# Altium PCB 0020-03_FFT2G.PcbDoc (part 11 of 16) (continued)
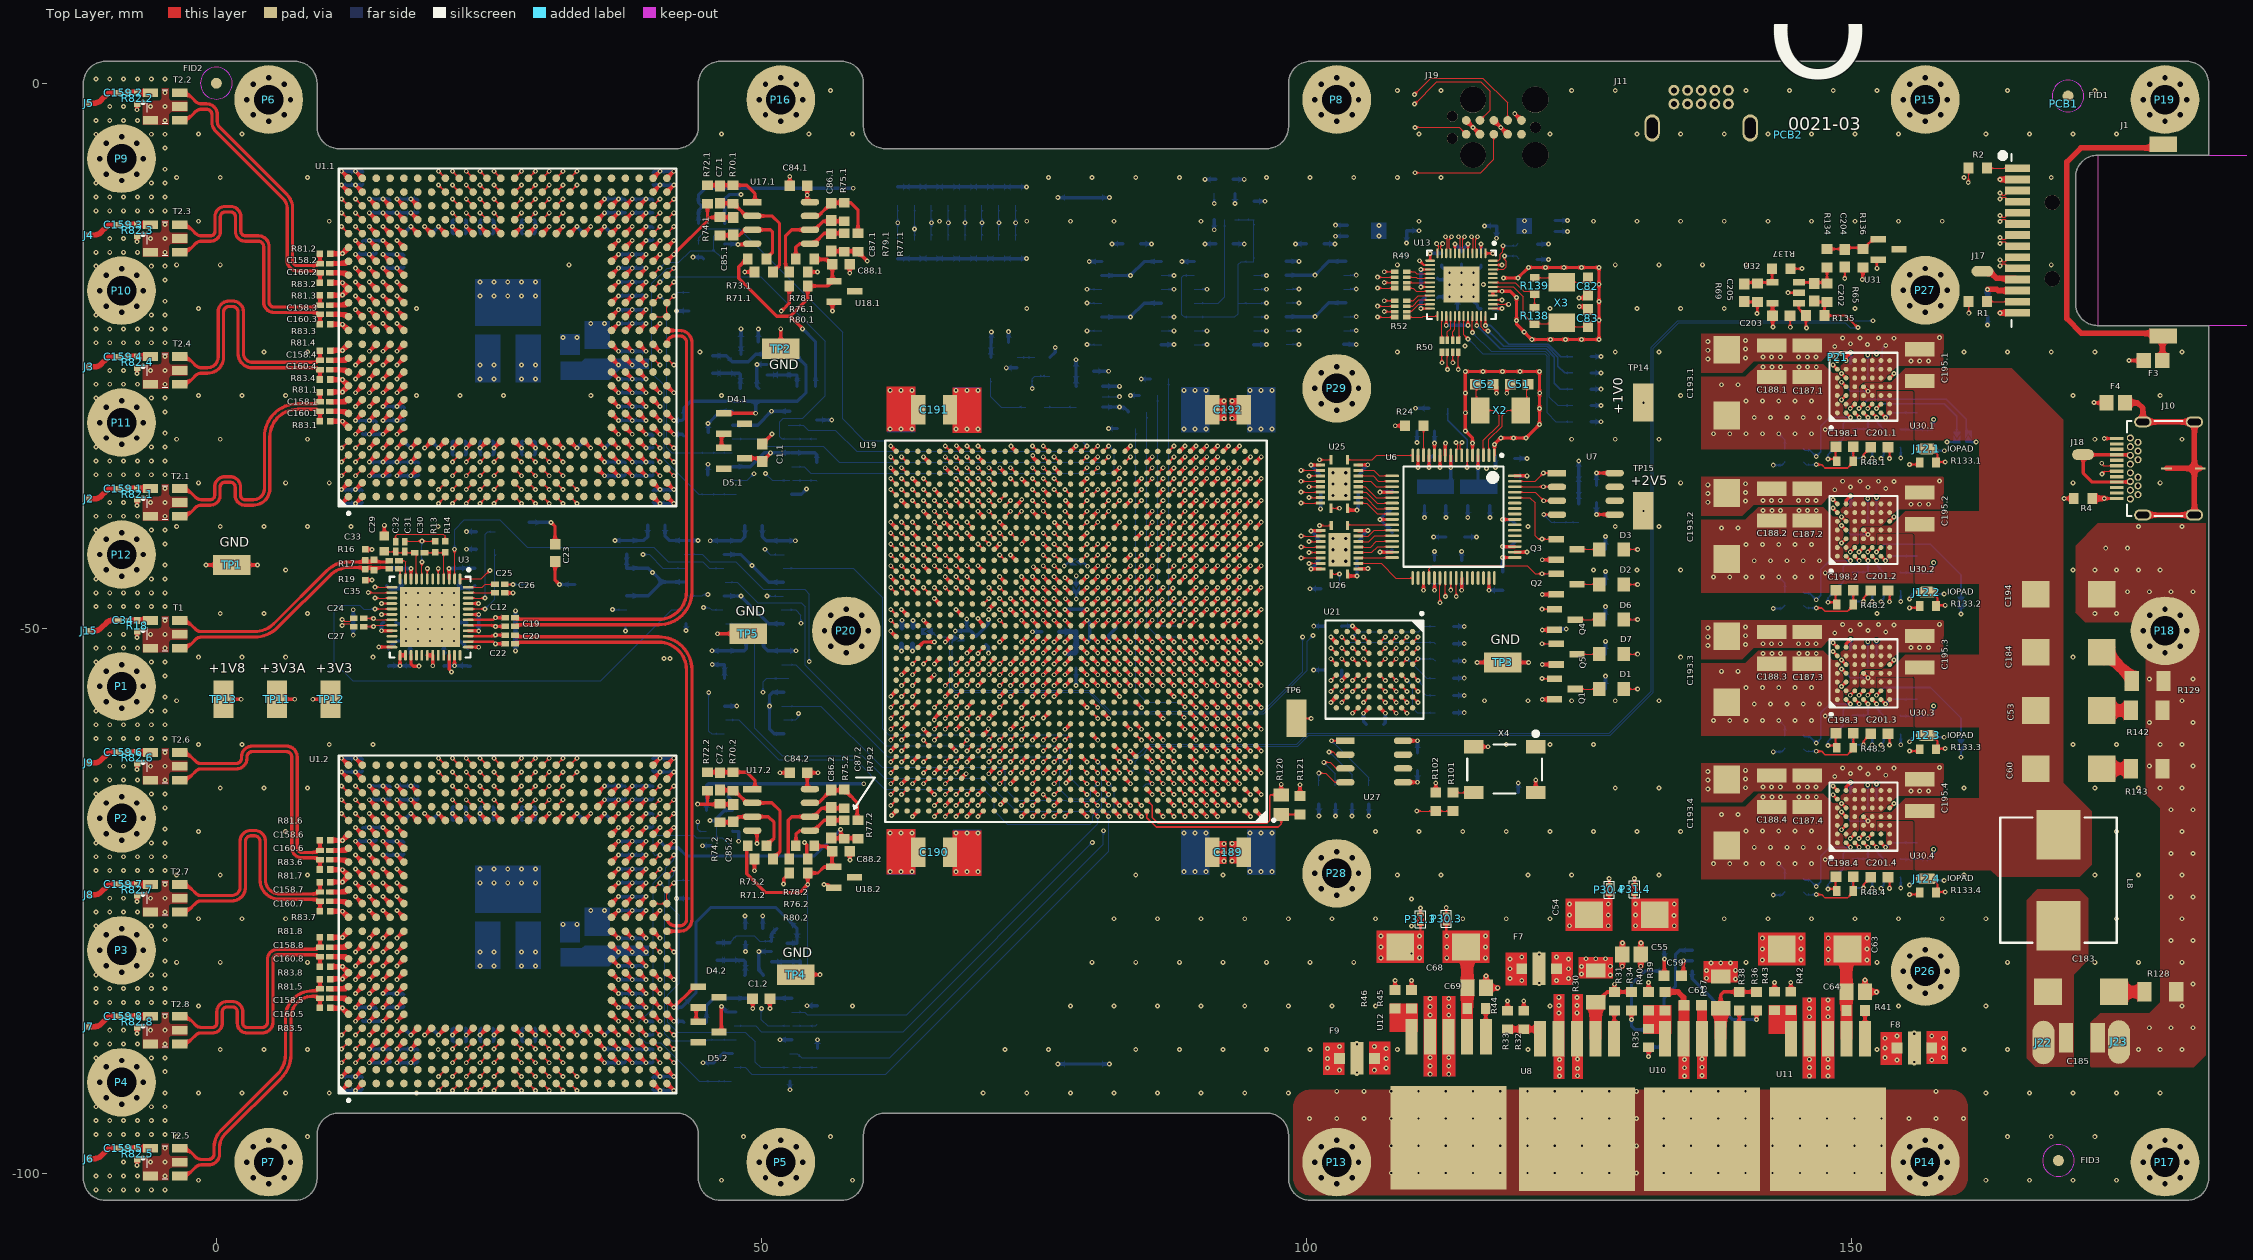
[diagram p0: Top Layer view]
## Nets (pads, with @x,y where several pads share a name; then routed paths per layer and width w, separated by ;. In a path a pad name is that pad's centre, name@x,y a point inside that pad or via, vN(x,y) a via of type N, cw(c..) or ccw(c..) an arc to the next point about the centre after c; other vN are vias at no path point) (continued)
NB.DR_P: U1.1.N1 U19.AE33 | length 75.7
  Top Layer w0.1: U1.1.N1@27.368,-37.927 v1(28.003,-38.562) ; v1(62.875,-42.28) U19.AE33@63.375,-42.78
  LVDS2 w0.1: v1(28.003,-38.562) 28.003,-38.133 28.11,-38.027 28.431,-38.027 28.716,-37.742 28.716,-36.928 28.941,-36.703 33.221,-36.703 34.504,-37.986 34.504,-40.486 34.922,-40.905 35.263,-40.905 cw(c35.263,-41.155) 35.513,-41.155 35.513,-41.186 ccw(c35.963,-41.186) 35.963,-41.636 36.263,-41.636 ccw(c36.263,-41.186) 36.713,-41.186 36.713,-40.255 cw(c36.963,-40.255) 36.963,-40.005 37.263,-40.005 cw(c37.263,-40.255) 37.513,-40.255 37.513,-41.354 ccw(c37.963,-41.354) 37.963,-41.804 38.263,-41.804 ccw(c38.263,-41.354) 38.713,-41.354 38.713,-40.255 cw(c38.963,-40.255) 38.963,-40.005 39.263,-40.005 cw(c39.263,-40.255) 39.513,-40.255 39.513,-41.354 ccw(c39.963,-41.354) 39.963,-41.804 40.263,-41.804 ccw(c40.263,-41.354) 40.713,-41.354 40.713,-40.255 cw(c40.963,-40.255) 40.963,-40.005 41.263,-40.005 cw(c41.263,-40.255) 41.513,-40.255 41.513,-41.354 ccw(c41.963,-41.354) 41.963,-41.804 42.263,-41.804 ccw(c42.263,-41.354) 42.713,-41.354 42.713,-40.255 cw(c42.963,-40.255) 42.963,-40.005 43.263,-40.005 cw(c43.263,-40.255) 43.513,-40.255 43.513,-41.128 ccw(c43.963,-41.128) 43.963,-41.578 44.263,-41.578 ccw(c44.263,-41.128) 44.713,-41.128 44.713,-40.255 cw(c44.963,-40.255) 44.963,-40.005 45.263,-40.005 cw(c45.263,-40.255) 45.513,-40.255 45.513,-41.354 ccw(c45.963,-41.354) 45.963,-41.804 46.263,-41.804 ccw(c46.263,-41.354) 46.713,-41.354 46.713,-40.255 cw(c46.963,-40.255) 46.963,-40.005 47.263,-40.005 cw(c47.263,-40.255) 47.513,-40.255 47.513,-41.354 ccw(c47.963,-41.354) 47.963,-41.804 48.263,-41.804 ccw(c48.263,-41.354) 48.713,-41.354 48.713,-40.255 cw(c48.963,-40.255) 48.963,-40.005 49.263,-40.005 cw(c49.263,-40.255) 49.513,-40.255 49.513,-41.354 ccw(c49.963,-41.354) 49.963,-41.804 50.263,-41.804 ccw(c50.263,-41.354) 50.713,-41.354 50.713,-40.255 cw(c50.963,-40.255) 50.963,-40.005 51.263,-40.005 cw(c51.263,-40.255) 51.513,-40.255 51.513,-41.354 ccw(c51.963,-41.354) 51.963,-41.804 52.263,-41.804 ccw(c52.263,-41.354) 52.713,-41.354 52.713,-40.255 cw(c52.963,-40.255) 52.963,-40.005 53.263,-40.005 cw(c53.263,-40.255) 53.513,-40.255 53.513,-41.354 ccw(c53.963,-41.354) 53.963,-41.804 54.263,-41.804 ccw(c54.263,-41.354) 54.713,-41.354 54.713,-40.255 cw(c54.963,-40.255) 54.963,-40.005 55.263,-40.005 cw(c55.263,-40.255) 55.513,-40.255 55.513,-41.354 ccw(c55.963,-41.354) 55.963,-41.804 56.263,-41.804 ccw(c56.263,-41.354) 56.713,-41.354 56.713,-40.255 cw(c56.963,-40.255) 56.963,-40.005 57.263,-40.005 cw(c57.263,-40.255) 57.513,-40.255 57.513,-41.354 ccw(c57.963,-41.354) 57.963,-41.804 58.263,-41.804 ccw(c58.263,-41.354) 58.713,-41.354 58.713,-41.155 cw(c58.963,-41.155) 58.963,-40.905 62.164,-40.905 62.273,-41.014 62.273,-41.671 62.49,-41.889 62.748,-41.889 62.875,-42.016 v1(62.875,-42.28)
NB.OR_N: U1.1.AC5 U19.AC29 | length 75.5
  Top Layer w0.1: U1.1.AC5@40.068,-32.847 v1(40.703,-33.482) ; v1(66.875,-44.28) U19.AC29@67.375,-44.78
  LVDS2 w0.1: v1(40.703,-33.482) 41.156,-33.482 41.238,-33.564 41.238,-33.985 41.448,-34.195 43.641,-34.195 44.076,-33.76 44.076,-32.922 43.83,-32.675 32.428,-32.675 32.174,-32.421 32.174,-31.989 32.529,-31.634 43.894,-31.634 45.771,-33.51 51.145,-33.51 ccw(c51.145,-33.06) 51.595,-33.06 51.595,-32.7 cw(c51.845,-32.7) 51.845,-32.45 52.145,-32.45 cw(c52.145,-32.7) 52.395,-32.7 52.395,-34.12 ccw(c52.845,-34.12) 52.845,-34.57 53.145,-34.57 ccw(c53.145,-34.12) 53.595,-34.12 53.595,-32.7 cw(c53.845,-32.7) 53.845,-32.45 54.145,-32.45 cw(c54.145,-32.7) 54.395,-32.7 54.395,-34.12 ccw(c54.845,-34.12) 54.845,-34.57 55.145,-34.57 ccw(c55.145,-34.12) 55.595,-34.12 55.595,-32.7 cw(c55.845,-32.7) 55.845,-32.45 56.145,-32.45 cw(c56.145,-32.7) 56.395,-32.7 56.395,-34.12 ccw(c56.845,-34.12) 56.845,-34.57 57.145,-34.57 ccw(c57.145,-34.12) 57.595,-34.12 57.595,-32.7 cw(c57.845,-32.7) 57.845,-32.45 58.145,-32.45 cw(c58.145,-32.7) 58.395,-32.7 58.395,-33.06 ccw(c58.845,-33.06) 58.845,-33.51 59.985,-33.51 60.539,-34.064 60.539,-36.837 62.606,-38.905 65.031,-38.905 65.3,-39.174 65.3,-40.518 65.659,-40.877 66.006,-40.877 66.3,-41.171 66.3,-43.705 v1(66.875,-44.28)
NB.OR_P: U1.1.AD5 U19.AD29 | length 75.5
  Top Layer w0.1: U1.1.AD5@41.338,-32.847 v1(41.973,-33.482) ; v1(66.875,-43.28) U19.AD29@67.375,-43.78
  LVDS2 w0.1: v1(41.973,-33.482) 41.521,-33.482 41.438,-33.564 41.438,-33.902 41.531,-33.995 43.558,-33.995 43.876,-33.677 43.876,-33.004 43.747,-32.875 32.345,-32.875 31.974,-32.504 31.974,-31.907 32.446,-31.434 43.977,-31.434 45.854,-33.31 51.145,-33.31 ccw(c51.145,-33.06) 51.395,-33.06 51.395,-32.7 cw(c51.845,-32.7) 51.845,-32.25 52.145,-32.25 cw(c52.145,-32.7) 52.595,-32.7 52.595,-34.12 ccw(c52.845,-34.12) 52.845,-34.37 53.145,-34.37 ccw(c53.145,-34.12) 53.395,-34.12 53.395,-32.7 cw(c53.845,-32.7) 53.845,-32.25 54.145,-32.25 cw(c54.145,-32.7) 54.595,-32.7 54.595,-34.12 ccw(c54.845,-34.12) 54.845,-34.37 55.145,-34.37 ccw(c55.145,-34.12) 55.395,-34.12 55.395,-32.7 cw(c55.845,-32.7) 55.845,-32.25 56.145,-32.25 cw(c56.145,-32.7) 56.595,-32.7 56.595,-34.12 ccw(c56.845,-34.12) 56.845,-34.37 57.145,-34.37 ccw(c57.145,-34.12) 57.395,-34.12 57.395,-32.7 cw(c57.845,-32.7) 57.845,-32.25 58.145,-32.25 cw(c58.145,-32.7) 58.595,-32.7 58.595,-33.06 ccw(c58.845,-33.06) 58.845,-33.31 60.068,-33.31 60.739,-33.981 60.739,-36.754 62.689,-38.705 65.113,-38.705 65.5,-39.091 65.5,-40.435 65.72,-40.655 66.067,-40.655 66.5,-41.088 66.5,-43.622 66.654,-43.775 66.768,-43.775 66.875,-43.668 v1(66.875,-43.28)
NC.0_N: U1.1.N21 U19.AD20 | length 75.4
  Top Layer w0.1: U1.1.N21@27.368,-12.527 v1(28.003,-11.892) ; v1(75.875,-43.28) U19.AD20@76.375,-43.78
  LVDS2 w0.1: v1(28.003,-11.892) 28.003,-11.36 27.91,-11.266 27.649,-11.266 27.398,-11.517 27.398,-23.709 28.817,-25.127 42.306,-25.127 ccw(c42.306,-24.877) 42.556,-24.877 cw(c43.006,-24.877) 43.006,-24.427 43.306,-24.427 cw(c43.306,-24.877) 43.756,-24.877 ccw(c44.006,-24.877) 44.006,-25.127 58.204,-25.127 65.946,-32.869 65.946,-34.17 65.946,-35.881 67.72,-37.655 68.063,-37.655 68.5,-38.091 68.5,-38.435 70.029,-39.964 70.45,-39.964 71.45,-40.964 71.45,-41.385 71.752,-41.687 72.498,-41.687 74.491,-43.68 75.558,-43.68 75.704,-43.826 75.817,-43.826 75.875,-43.767 v1(75.875,-43.28)
NC.0_P: U1.1.N22 U19.AC20 | length 75.5
  Top Layer w0.1: U1.1.N22@27.368,-11.257 v1(28.003,-10.622) ; v1(75.875,-44.28) U19.AC20@76.375,-44.78
  LVDS2 w0.1: v1(28.003,-10.622) 28.003,-10.95 27.887,-11.066 27.566,-11.066 27.198,-11.434 27.198,-23.792 28.734,-25.327 42.306,-25.327 ccw(c42.306,-24.877) 42.756,-24.877 cw(c43.006,-24.877) 43.006,-24.627 43.306,-24.627 cw(c43.306,-24.877) 43.556,-24.877 ccw(c44.006,-24.877) 44.006,-25.327 58.121,-25.327 65.746,-32.952 65.746,-34.087 65.746,-35.963 67.637,-37.855 67.981,-37.855 68.3,-38.174 68.3,-38.518 69.946,-40.164 70.367,-40.164 71.25,-41.047 71.25,-41.468 71.669,-41.887 72.415,-41.887 74.408,-43.88 75.475,-43.88 v1(75.875,-44.28)
NC.1_N: U1.1.P23 U19.AN20 | length 74.7
  Top Layer w0.1: U1.1.P23@28.638,-9.987 v1(29.273,-9.352) ; v1(75.875,-34.28) U19.AN20@76.375,-34.78
  LVDS2 w0.1: v1(29.273,-9.352) 29.273,-8.898 29.354,-8.817 29.63,-8.817 29.986,-8.461 29.986,-6.894 30.319,-6.561 68.864,-6.561 76.273,-13.97 76.273,-34.221 76.215,-34.28 v1(75.875,-34.28)
NC.1_P: U1.1.P24 U19.AN19 | length 74.8
  Top Layer w0.1: U1.1.P24@28.638,-8.717 v1(29.273,-8.082) ; v1(76.875,-34.28) U19.AN19@77.375,-34.78
  LVDS2 w0.1: v1(29.273,-8.082) 29.273,-8.536 29.354,-8.617 29.547,-8.617 29.786,-8.378 29.786,-6.811 30.236,-6.361 68.947,-6.361 76.473,-13.887 76.473,-33.878 v1(76.875,-34.28)
NC.2_N: U1.1.P21 U19.AD19 | length 75.4
  Top Layer w0.1: U1.1.P21@28.638,-12.527 v1(29.273,-11.892) ; v1(76.875,-43.28) U19.AD19@77.375,-43.78
  LVDS2 w0.1: v1(29.273,-11.892) 29.273,-11.36 29.18,-11.266 28.919,-11.266 28.694,-11.492 28.694,-22.414 30.014,-23.733 60.297,-23.733 67.454,-30.89 67.454,-36.491 67.652,-36.689 69.097,-36.689 69.45,-37.041 69.45,-37.385 69.72,-37.655 70.063,-37.655 70.45,-38.041 70.45,-38.385 70.72,-38.655 71.063,-38.655 71.45,-39.041 71.45,-39.385 71.77,-39.705 72.189,-39.705 75.173,-42.689 76.243,-42.689 76.461,-42.907 76.461,-43.527 76.672,-43.738 76.774,-43.738 76.875,-43.636 v1(76.875,-43.28)
NC.2_P: U1.1.P22 U19.AC19 | length 75.5
  Top Layer w0.1: U1.1.P22@28.638,-11.257 v1(29.273,-10.622) ; v1(76.875,-44.28) U19.AC19@77.375,-44.78
  LVDS2 w0.1: v1(29.273,-10.622) 28.494,-11.401 28.494,-22.496 29.931,-23.933 60.215,-23.933 67.254,-30.973 67.254,-36.574 67.569,-36.889 69.015,-36.889 69.25,-37.124 69.25,-37.468 69.687,-37.905 70.031,-37.905 70.25,-38.124 70.25,-38.468 70.687,-38.905 71.031,-38.905 71.25,-39.124 71.25,-39.468 71.687,-39.905 72.106,-39.905 75.09,-42.889 76.16,-42.889 76.261,-42.99 76.261,-43.61 76.875,-44.223 v1(76.875,-44.28)
NC.3_N: U1.1.R23 U19.AP21 | length 74.9
  Top Layer w0.1: U1.1.R23@29.908,-9.987 v1(30.543,-9.352) ; v1(74.875,-33.28) U19.AP21@75.375,-33.78
  LVDS2 w0.1: v1(30.543,-9.352) 30.543,-8.923 30.65,-8.817 31.012,-8.817 31.256,-8.573 31.256,-7.675 31.809,-7.123 63.644,-7.123 64.244,-7.723 ccw(c64.562,-7.404) 64.88,-7.723 65.022,-7.581 cw(c65.198,-7.758) 65.375,-7.581 65.587,-7.793 cw(c65.411,-7.97) 65.661,-7.97 cw(c65.411,-7.97) 65.587,-8.147 64.81,-8.925 ccw(c65.128,-9.243) 64.81,-9.561 65.022,-9.773 ccw(c65.34,-9.455) 65.658,-9.773 66.436,-8.995 cw(c66.613,-9.172) 66.789,-8.995 67.002,-9.207 cw(c66.825,-9.384) 67.075,-9.384 cw(c66.825,-9.384) 67.002,-9.561 66.224,-10.339 ccw(c66.542,-10.657) 66.224,-10.975 66.436,-11.187 ccw(c66.754,-10.869) 67.072,-11.187 67.85,-10.409 cw(c68.027,-10.586) 68.204,-10.409 68.416,-10.622 cw(c68.239,-10.798) 68.489,-10.798 cw(c68.239,-10.798) 68.416,-10.975 68.274,-11.117 ccw(c68.593,-11.435) 68.274,-11.753 75.275,-18.754 75.275,-33.211 75.206,-33.28 v1(74.875,-33.28)
NC.3_P: U1.1.R24 U19.AP20 | length 75.1
  Top Layer w0.1: U1.1.R24@29.908,-8.717 v1(30.543,-8.082) ; v1(75.875,-33.28) U19.AP20@76.375,-33.78
  LVDS2 w0.1: v1(30.543,-8.082) 30.543,-8.51 30.65,-8.617 30.929,-8.617 31.056,-8.49 31.056,-7.593 31.726,-6.923 63.727,-6.923 64.385,-7.581 ccw(c64.562,-7.404) 64.739,-7.581 64.88,-7.44 cw(c65.198,-7.758) 65.517,-7.44 65.729,-7.652 cw(c65.411,-7.97) 65.861,-7.97 cw(c65.411,-7.97) 65.729,-8.288 64.951,-9.066 ccw(c65.128,-9.243) 64.951,-9.42 65.163,-9.632 ccw(c65.34,-9.455) 65.517,-9.632 66.295,-8.854 cw(c66.613,-9.172) 66.931,-8.854 67.143,-9.066 cw(c66.825,-9.384) 67.275,-9.384 cw(c66.825,-9.384) 67.143,-9.702 66.365,-10.48 ccw(c66.542,-10.657) 66.365,-10.834 66.577,-11.046 ccw(c66.754,-10.869) 66.931,-11.046 67.709,-10.268 cw(c68.027,-10.586) 68.345,-10.268 68.557,-10.48 cw(c68.239,-10.798) 68.689,-10.798 cw(c68.239,-10.798) 68.557,-11.117 68.416,-11.258 ccw(c68.593,-11.435) 68.416,-11.612 75.475,-18.671 75.475,-32.88 v1(75.875,-33.28)
NC.4_N: U1.1.R21 U19.AF21 | length 74.6
  Top Layer w0.1: U1.1.R21@29.908,-12.527 v1(30.543,-11.892) ; v1(74.875,-41.28) U19.AF21@75.375,-41.78
  LVDS3 w0.1: v1(30.543,-11.892) 30.543,-11.438 30.624,-11.357 30.896,-11.357 31.031,-11.492 31.031,-14.744 31.479,-15.193 42.598,-15.193 42.991,-14.8 42.991,-10.682 43.426,-10.247 45.647,-10.247 46.042,-10.642 46.042,-14.822 46.674,-15.454 51.846,-15.454 64.886,-28.494 64.886,-30.219 67.19,-32.523 70.004,-32.523 71.267,-33.787 71.267,-38.727 72.843,-40.303 74.775,-40.303 75.275,-40.803 75.275,-41.186 75.182,-41.28 v1(74.875,-41.28)
NC.4_P: U1.1.R22 U19.AF20 | length 74.8
  Top Layer w0.1: U1.1.R22@29.908,-11.257 v1(30.543,-10.622) ; v1(75.875,-41.28) U19.AF20@76.375,-41.78
  LVDS3 w0.1: v1(30.543,-10.622) 30.543,-11.076 30.624,-11.157 30.979,-11.157 31.231,-11.409 31.231,-14.661 31.562,-14.993 42.516,-14.993 42.791,-14.717 42.791,-10.599 43.343,-10.047 45.729,-10.047 46.242,-10.56 46.242,-14.74 46.756,-15.254 51.929,-15.254 65.086,-28.411 65.086,-30.136 67.273,-32.323 70.086,-32.323 71.467,-33.704 71.467,-38.644 72.926,-40.103 74.858,-40.103 75.475,-40.72 75.475,-40.88 v1(75.875,-41.28)
NC.5_N: U1.1.T23 U19.AL20 | length 74.9
  Top Layer w0.1: U1.1.T23@31.178,-9.987 v1(31.813,-9.352) ; v1(75.875,-36.28) U19.AL20@76.375,-36.78
  LVDS2 w0.1: v1(31.813,-9.352) 31.813,-8.898 31.894,-8.817 32.221,-8.817 32.551,-8.486 32.551,-7.913 32.783,-7.682 59.194,-7.682 65.309,-13.797 ccw(c65.627,-13.478) 65.945,-13.797 66.086,-13.655 cw(c66.263,-13.832) 66.44,-13.655 66.652,-13.867 cw(c66.475,-14.044) 66.725,-14.044 cw(c66.475,-14.044) 66.652,-14.221 65.874,-14.999 ccw(c66.192,-15.317) 65.874,-15.635 66.086,-15.847 ccw(c66.405,-15.529) 66.723,-15.847 67.501,-15.069 cw(c67.677,-15.246) 67.854,-15.069 68.066,-15.281 cw(c67.889,-15.458) 68.139,-15.458 cw(c67.889,-15.458) 68.066,-15.635 67.288,-16.413 ccw(c67.607,-16.731) 67.288,-17.049 67.501,-17.261 ccw(c67.819,-16.943) 68.137,-17.261 68.915,-16.484 cw(c69.092,-16.66) 69.268,-16.484 69.48,-16.696 cw(c69.304,-16.872) 69.554,-16.872 cw(c69.304,-16.872) 69.48,-17.049 68.703,-17.827 ccw(c69.021,-18.145) 68.703,-18.463 68.915,-18.676 ccw(c69.233,-18.357) 69.551,-18.676 69.693,-18.534 cw(c69.869,-18.711) 70.046,-18.534 74.258,-22.746 74.258,-34.349 74.698,-34.789 75.073,-34.789 75.273,-34.989 75.273,-35.621 75.515,-35.864 75.773,-35.864 75.875,-35.966 v1(75.875,-36.28)
NC.5_P: U1.1.T24 U19.AM20 | length 74.8
  Top Layer w0.1: U1.1.T24@31.178,-8.717 v1(31.813,-8.082) ; v1(75.875,-35.28) U19.AM20@76.375,-35.78
  LVDS2 w0.1: v1(31.813,-8.082) 31.813,-8.536 31.894,-8.617 32.138,-8.617 32.351,-8.403 32.351,-7.831 32.7,-7.482 59.276,-7.482 65.45,-13.655 ccw(c65.627,-13.478) 65.803,-13.655 65.945,-13.514 cw(c66.263,-13.832) 66.581,-13.514 66.793,-13.726 cw(c66.475,-14.044) 66.925,-14.044 cw(c66.475,-14.044) 66.793,-14.362 66.016,-15.14 ccw(c66.192,-15.317) 66.016,-15.494 66.228,-15.706 ccw(c66.405,-15.529) 66.581,-15.706 67.359,-14.928 cw(c67.677,-15.246) 67.996,-14.928 68.208,-15.14 cw(c67.889,-15.458) 68.339,-15.458 cw(c67.889,-15.458) 68.208,-15.776 67.43,-16.554 ccw(c67.607,-16.731) 67.43,-16.908 67.642,-17.12 ccw(c67.819,-16.943) 67.996,-17.12 68.773,-16.342 cw(c69.092,-16.66) 69.41,-16.342 69.622,-16.554 cw(c69.304,-16.872) 69.754,-16.872 cw(c69.304,-16.872) 69.622,-17.191 68.844,-17.968 ccw(c69.021,-18.145) 68.844,-18.322 69.056,-18.534 ccw(c69.233,-18.357) 69.41,-18.534 69.551,-18.393 cw(c69.869,-18.711) 70.188,-18.393 74.458,-22.663 74.458,-34.266 74.781,-34.589 75.156,-34.589 75.473,-34.906 75.473,-35.539 75.598,-35.664 75.773,-35.664 75.875,-35.562 v1(75.875,-35.28)
NC.6_N: U1.1.T21 U19.AE19 | length 75.1
  Top Layer w0.1: U1.1.T21@31.178,-12.527 v1(31.813,-11.892) ; v1(76.875,-42.28) U19.AE19@77.375,-42.78
  LVDS2 w0.1: v1(31.813,-11.892) 31.813,-11.468 31.925,-11.357 32.26,-11.357 32.377,-11.474 32.377,-13.56 29.786,-16.151 29.786,-20.614 30.842,-21.67 43.065,-21.67 ccw(c43.065,-21.32) 43.415,-21.32 cw(c43.665,-21.32) 43.665,-21.07 43.965,-21.07 cw(c43.965,-21.32) 44.215,-21.32 44.215,-21.82 ccw(c44.665,-21.82) 44.665,-22.27 44.965,-22.27 ccw(c44.965,-21.82) 45.415,-21.82 cw(c45.565,-21.82) 45.565,-21.67 59.163,-21.67 67.575,-30.081 69.288,-30.081 70.3,-31.093 70.3,-35.518 70.637,-35.855 70.983,-35.855 71.3,-36.172 71.3,-36.882 72.274,-37.856 72.274,-38.491 72.651,-38.869 73.032,-38.869 73.261,-39.097 73.261,-39.536 73.71,-39.985 75.919,-39.985 76.273,-40.339 76.273,-41.646 76.515,-41.889 76.798,-41.889 76.875,-41.966 v1(76.875,-42.28)
NC.6_P: U1.1.T22 U19.AF19 | length 75.2
  Top Layer w0.1: U1.1.T22@31.178,-11.257 v1(31.813,-10.622) ; v1(76.875,-41.28) U19.AF19@77.375,-41.78
  LVDS2 w0.1: v1(31.813,-10.622) 31.813,-11.045 31.925,-11.157 32.343,-11.157 32.577,-11.391 32.577,-13.643 29.986,-16.234 29.986,-20.531 30.925,-21.47 43.065,-21.47 ccw(c43.065,-21.32) 43.215,-21.32 cw(c43.665,-21.32) 43.665,-20.87 43.965,-20.87 cw(c43.965,-21.32) 44.415,-21.32 44.415,-21.82 ccw(c44.665,-21.82) 44.665,-22.07 44.965,-22.07 ccw(c44.965,-21.82) 45.215,-21.82 cw(c45.565,-21.82) 45.565,-21.47 59.246,-21.47 67.657,-29.881 69.371,-29.881 70.5,-31.011 70.5,-35.435 70.72,-35.655 71.066,-35.655 71.5,-36.089 71.5,-36.8 72.474,-37.773 72.474,-38.408 72.734,-38.669 73.115,-38.669 73.461,-39.014 73.461,-39.453 73.793,-39.785 76.002,-39.785 76.473,-40.256 76.473,-41.564 76.598,-41.689 76.798,-41.689 76.875,-41.612 v1(76.875,-41.28)
NC.7_N: U1.1.U23 U19.AL21 | length 74.9
  Top Layer w0.1: U1.1.U23@32.448,-9.987 v1(33.083,-9.352) ; v1(74.875,-36.28) U19.AL21@75.375,-36.78
  LVDS2 w0.1: v1(33.083,-9.352) 33.083,-8.875 33.142,-8.817 51.054,-8.817 51.418,-9.18 56.84,-9.18 58.123,-10.463 cw(c57.632,-10.954) 58.326,-10.954 cw(c57.632,-10.954) 58.123,-11.445 58.091,-11.477 ccw(c58.723,-12.11) 59.356,-12.742 60.543,-11.555 cw(c61.034,-12.046) 61.525,-11.554 ; 61.525,-11.555 cw(c61.034,-12.046) 61.729,-12.046 cw(c61.034,-12.046) 61.525,-12.537 60.338,-13.724 ccw(c60.971,-14.357) 61.603,-14.989 62.512,-14.08 cw(c63.003,-14.571) 63.494,-14.08 cw(c63.003,-14.571) 63.698,-14.571 cw(c63.003,-14.571) 63.494,-15.062 62.585,-15.971 ccw(c63.218,-16.604) 63.85,-17.236 63.882,-17.205 cw(c64.373,-17.696) 64.864,-17.205 cw(c64.373,-17.696) 65.068,-17.696 cw(c64.373,-17.696) 64.864,-18.187 64.833,-18.219 ccw(c65.465,-18.851) 66.098,-19.484 66.129,-19.452 cw(c66.62,-19.943) 67.111,-19.452 70.066,-22.406 71.251,-22.406 71.82,-22.975 71.82,-24.16 73.62,-25.96 73.62,-34.46 73.798,-34.639 73.798,-35.371 74.29,-35.864 74.773,-35.864 74.875,-35.966 v1(74.875,-36.28)
NC.7_P: U1.1.U24 U19.AM21 | length 74.9
  Top Layer w0.1: U1.1.U24@32.448,-8.717 v1(33.083,-8.082) ; v1(74.875,-35.28) U19.AM21@75.375,-35.78
  LVDS2 w0.1: v1(33.083,-8.082) 33.083,-8.558 33.142,-8.617 51.137,-8.617 51.501,-8.98 56.945,-8.98 ; 56.945,-9.003 58.264,-10.322 cw(c57.632,-10.954) 58.526,-10.954 cw(c57.632,-10.954) 58.264,-11.587 58.232,-11.618 ccw(c58.723,-12.11) 58.232,-12.601 ccw(c58.723,-12.11) 59.214,-12.601 60.402,-11.413 cw(c61.034,-12.046) 61.929,-12.046 cw(c61.034,-12.046) 61.667,-12.679 60.48,-13.866 ccw(c60.971,-14.357) 60.479,-14.847 ccw(c60.971,-14.357) 61.462,-14.848 62.371,-13.939 cw(c63.003,-14.571) 63.898,-14.571 cw(c63.003,-14.571) 63.636,-15.204 62.727,-16.113 ccw(c63.218,-16.604) 62.726,-17.095 ; 62.727,-17.095 ccw(c63.218,-16.604) 63.709,-17.095 63.741,-17.063 cw(c64.373,-17.696) 65.006,-17.063 cw(c64.373,-17.696) 65.268,-17.696 cw(c64.373,-17.696) 65.006,-18.328 64.974,-18.36 ccw(c65.465,-18.851) 64.973,-19.342 ccw(c65.465,-18.851) 65.956,-19.342 65.988,-19.31 cw(c66.62,-19.943) 67.253,-19.31 70.149,-22.206 71.334,-22.206 72.02,-22.892 72.02,-24.077 73.82,-25.877 73.82,-34.377 73.998,-34.556 73.998,-35.289 74.373,-35.664 74.773,-35.664 74.875,-35.562 v1(74.875,-35.28)
NC.8_N: U1.1.AC22 U19.AJ21 | length 75.7
  Top Layer w0.1: U1.1.AC22@40.068,-11.257 v1(40.703,-10.622) ; v1(74.875,-38.28) U19.AJ21@75.375,-38.78
  LVDS2 w0.1: v1(40.703,-10.622) 41.08,-10.622 41.238,-10.78 41.238,-11.183 41.521,-11.466 42.502,-11.466 43.485,-12.449 44.008,-12.449 ccw(c44.008,-11.999) 44.458,-11.999 44.458,-11.343 cw(c44.708,-11.343) 44.708,-11.093 45.008,-11.093 cw(c45.008,-11.343) 45.258,-11.343 45.258,-13.355 ccw(c45.708,-13.355) 45.708,-13.805 46.008,-13.805 ccw(c46.008,-13.355) 46.458,-13.355 46.458,-11.343 cw(c46.708,-11.343) 46.708,-11.093 47.008,-11.093 cw(c47.008,-11.343) 47.258,-11.343 47.258,-13.355 ccw(c47.708,-13.355) 47.708,-13.805 48.008,-13.805 ccw(c48.008,-13.355) 48.458,-13.355 48.458,-11.343 cw(c48.708,-11.343) 48.708,-11.093 49.008,-11.093 cw(c49.008,-11.343) 49.258,-11.343 49.258,-13.355 ccw(c49.708,-13.355) 49.708,-13.805 50.008,-13.805 ccw(c50.008,-13.355) 50.458,-13.355 50.458,-11.343 cw(c50.708,-11.343) 50.708,-11.093 51.008,-11.093 cw(c51.008,-11.343) 51.258,-11.343 51.258,-13.355 ccw(c51.708,-13.355) 51.708,-13.805 52.008,-13.805 ccw(c52.008,-13.355) 52.458,-13.355 52.458,-11.343 cw(c52.708,-11.343) 52.708,-11.093 53.008,-11.093 cw(c53.008,-11.343) 53.258,-11.343 53.258,-13.355 ccw(c53.708,-13.355) 53.708,-13.805 54.008,-13.805 ccw(c54.008,-13.355) 54.458,-13.355 54.458,-12.699 cw(c54.708,-12.699) 54.708,-12.449 56.558,-12.449 56.588,-12.478 72.133,-28.024 72.133,-33.824 73.3,-34.991 73.3,-36.705 v1(74.875,-38.28)
NC.8_P: U1.1.AD22 U19.AK21 | length 75.5
  Top Layer w0.1: U1.1.AD22@41.338,-11.257 v1(41.973,-10.622) ; v1(74.875,-37.28) U19.AK21@75.375,-37.78
  LVDS2 w0.1: v1(41.973,-10.622) 41.596,-10.622 41.438,-10.78 41.438,-11.101 41.604,-11.266 42.585,-11.266 43.568,-12.249 44.008,-12.249 ccw(c44.008,-11.999) 44.258,-11.999 44.258,-11.343 cw(c44.708,-11.343) 44.708,-10.893 45.008,-10.893 cw(c45.008,-11.343) 45.458,-11.343 45.458,-13.355 ccw(c45.708,-13.355) 45.708,-13.605 46.008,-13.605 ccw(c46.008,-13.355) 46.258,-13.355 46.258,-11.343 cw(c46.708,-11.343) 46.708,-10.893 47.008,-10.893 cw(c47.008,-11.343) 47.458,-11.343 47.458,-13.355 ccw(c47.708,-13.355) 47.708,-13.605 48.008,-13.605 ccw(c48.008,-13.355) 48.258,-13.355 48.258,-11.343 cw(c48.708,-11.343) 48.708,-10.893 49.008,-10.893 cw(c49.008,-11.343) 49.458,-11.343 49.458,-13.355 ccw(c49.708,-13.355) 49.708,-13.605 50.008,-13.605 ccw(c50.008,-13.355) 50.258,-13.355 50.258,-11.343 cw(c50.708,-11.343) 50.708,-10.893 51.008,-10.893 cw(c51.008,-11.343) 51.458,-11.343 51.458,-13.355 ccw(c51.708,-13.355) 51.708,-13.605 52.008,-13.605 ccw(c52.008,-13.355) 52.258,-13.355 52.258,-11.343 cw(c52.708,-11.343) 52.708,-10.893 53.008,-10.893 cw(c53.008,-11.343) 53.458,-11.343 53.458,-13.355 ccw(c53.708,-13.355) 53.708,-13.605 54.008,-13.605 ccw(c54.008,-13.355) 54.258,-13.355 54.258,-12.699 cw(c54.708,-12.699) 54.708,-12.249 56.641,-12.249 72.333,-27.941 72.333,-33.741 73.5,-34.908 73.5,-36.615 74.574,-37.689 74.748,-37.689 74.875,-37.562 v1(74.875,-37.28)
NC.9_N: U1.1.AC21 U19.AL23 | length 75.3
  Top Layer w0.1: U1.1.AC21@40.068,-12.527 v1(40.703,-11.892) ; v1(72.875,-36.28) U19.AL23@73.375,-36.78
  LVDS2 w0.1: v1(40.703,-11.892) 41.105,-11.892 41.238,-12.025 41.238,-12.367 41.478,-12.606 42.349,-12.606 42.591,-12.848 42.591,-18.077 43.292,-18.778 43.804,-18.778 cw(c43.804,-19.028) 44.054,-19.028 44.054,-19.328 ccw(c44.504,-19.328) 44.504,-19.778 44.804,-19.778 ccw(c44.804,-19.328) 45.254,-19.328 45.254,-18.028 cw(c45.504,-18.028) 45.504,-17.778 45.804,-17.778 cw(c45.804,-18.028) 46.054,-18.028 46.054,-19.328 ccw(c46.504,-19.328) 46.504,-19.778 46.804,-19.778 ccw(c46.804,-19.328) 47.254,-19.328 47.254,-18.028 cw(c47.504,-18.028) 47.504,-17.778 47.804,-17.778 cw(c47.804,-18.028) 48.054,-18.028 48.054,-19.328 ccw(c48.504,-19.328) 48.504,-19.778 48.804,-19.778 ccw(c48.804,-19.328) 49.254,-19.328 49.254,-18.028 cw(c49.504,-18.028) 49.504,-17.778 49.804,-17.778 cw(c49.804,-18.028) 50.054,-18.028 50.054,-19.328 ccw(c50.504,-19.328) 50.504,-19.778 50.804,-19.778 ccw(c50.804,-19.328) 51.254,-19.328 51.254,-18.028 cw(c51.504,-18.028) 51.504,-17.778 51.804,-17.778 cw(c51.804,-18.028) 52.054,-18.028 52.054,-19.328 ccw(c52.504,-19.328) 52.504,-19.778 52.804,-19.778 ccw(c52.804,-19.328) 53.254,-19.328 53.254,-18.028 cw(c53.504,-18.028) 53.504,-17.778 53.804,-17.778 cw(c53.804,-18.028) 54.054,-18.028 54.054,-19.328 ccw(c54.504,-19.328) 54.504,-19.778 54.804,-19.778 ccw(c54.804,-19.328) 55.254,-19.328 55.254,-18.058 cw(c55.504,-18.058) 55.504,-17.808 55.804,-17.808 cw(c55.804,-18.058) 56.054,-18.058 56.054,-19.328 ccw(c56.504,-19.328) 56.504,-19.778 56.804,-19.778 ccw(c56.804,-19.328) 57.254,-19.328 57.254,-18.191 cw(c57.504,-18.191) 57.504,-17.941 57.804,-17.941 cw(c57.804,-18.191) 58.054,-18.191 58.054,-19.328 ccw(c58.504,-19.328) 58.504,-19.778 58.804,-19.778 ccw(c58.804,-19.328) 59.254,-19.328 59.254,-19.028 cw(c59.504,-19.028) 59.504,-18.778 61.06,-18.778 71.516,-29.234 71.516,-34.198 72.261,-34.943 72.261,-35.665 v1(72.875,-36.28)
NC.9_P: U1.1.AD21 U19.AM23 | length 75.2
  Top Layer w0.1: U1.1.AD21@41.338,-12.527 v1(41.973,-11.892) ; v1(72.875,-35.28) U19.AM23@73.375,-35.78
  LVDS2 w0.1: v1(41.973,-11.892) 41.572,-11.892 41.438,-12.025 41.438,-12.284 41.56,-12.406 42.432,-12.406 42.791,-12.765 42.791,-17.994 43.375,-18.578 43.804,-18.578 cw(c43.804,-19.028) 44.254,-19.028 44.254,-19.328 ccw(c44.504,-19.328) 44.504,-19.578 44.804,-19.578 ccw(c44.804,-19.328) 45.054,-19.328 45.054,-18.028 cw(c45.504,-18.028) 45.504,-17.578 45.804,-17.578 cw(c45.804,-18.028) 46.254,-18.028 46.254,-19.328 ccw(c46.504,-19.328) 46.504,-19.578 46.804,-19.578 ccw(c46.804,-19.328) 47.054,-19.328 47.054,-18.028 cw(c47.504,-18.028) 47.504,-17.578 47.804,-17.578 cw(c47.804,-18.028) 48.254,-18.028 48.254,-19.328 ccw(c48.504,-19.328) 48.504,-19.578 48.804,-19.578 ccw(c48.804,-19.328) 49.054,-19.328 49.054,-18.028 cw(c49.504,-18.028) 49.504,-17.578 49.804,-17.578 cw(c49.804,-18.028) 50.254,-18.028 50.254,-19.328 ccw(c50.504,-19.328) 50.504,-19.578 50.804,-19.578 ccw(c50.804,-19.328) 51.054,-19.328 51.054,-18.028 cw(c51.504,-18.028) 51.504,-17.578 51.804,-17.578 cw(c51.804,-18.028) 52.254,-18.028 52.254,-19.328 ccw(c52.504,-19.328) 52.504,-19.578 52.804,-19.578 ccw(c52.804,-19.328) 53.054,-19.328 53.054,-18.028 cw(c53.504,-18.028) 53.504,-17.578 53.804,-17.578 cw(c53.804,-18.028) 54.254,-18.028 54.254,-19.328 ccw(c54.504,-19.328) 54.504,-19.578 54.804,-19.578 ccw(c54.804,-19.328) 55.054,-19.328 55.054,-18.058 cw(c55.504,-18.058) 55.504,-17.608 55.804,-17.608 cw(c55.804,-18.058) 56.254,-18.058 56.254,-19.328 ccw(c56.504,-19.328) 56.504,-19.578 56.804,-19.578 ccw(c56.804,-19.328) 57.054,-19.328 57.054,-18.191 cw(c57.504,-18.191) 57.504,-17.741 57.804,-17.741 cw(c57.804,-18.191) 58.254,-18.191 58.254,-19.328 ccw(c58.504,-19.328) 58.504,-19.578 58.804,-19.578 ccw(c58.804,-19.328) 59.054,-19.328 59.054,-19.028 cw(c59.504,-19.028) 59.504,-18.578 61.143,-18.578 71.716,-29.152 71.716,-34.115 72.461,-34.86 72.461,-35.548 72.636,-35.723 72.789,-35.723 72.875,-35.637 v1(72.875,-35.28)
NC.DR_N: U1.1.N23 U19.AL19 | length 76
  Top Layer w0.1: U1.1.N23@27.368,-9.987 v1(28.003,-9.352) ; v1(76.875,-36.28) U19.AL19@77.375,-36.78
  LVDS1 w0.1: v1(28.003,-9.352) 28.003,-8.875 28.062,-8.817 50.067,-8.817 50.722,-8.161 67.781,-8.161 77.465,-17.845 77.465,-36.794 77.313,-36.946 77.11,-36.946 76.875,-36.711 v1(76.875,-36.28)
NC.DR_P: U1.1.N24 U19.AK19 | length 76.2
  Top Layer w0.1: U1.1.N24@27.368,-8.717 v1(28.003,-8.082) ; v1(76.875,-37.28) U19.AK19@77.375,-37.78
  LVDS1 w0.1: v1(28.003,-8.082) 28.003,-8.558 28.062,-8.617 49.984,-8.617 50.639,-7.961 67.864,-7.961 77.665,-17.762 77.665,-36.876 77.262,-37.28 v1(76.875,-37.28)
NC.OR_N: U1.1.AC20 U19.AH20 | length 75
  Top Layer w0.1: U1.1.AC20@40.068,-13.797 v1(40.703,-13.162) ; v1(75.875,-39.28) U19.AH20@76.375,-39.78
  LVDS2 w0.1: v1(40.703,-13.162) 41.18,-13.162 41.238,-13.22 41.238,-14.721 40.89,-15.069 32.479,-15.069 30.907,-16.641 30.907,-19.779 31.507,-20.379 32.222,-20.379 ccw(c32.222,-19.929) 32.672,-19.929 cw(c32.922,-19.929) 32.922,-19.679 33.222,-19.679 cw(c33.222,-19.929) 33.472,-19.929 ccw(c33.922,-19.929) 33.922,-20.379 59.101,-20.379 67.842,-29.119 69.489,-29.119 70.997,-30.627 70.997,-34.73 71.25,-34.984 71.25,-35.556 73.261,-37.567 73.261,-38.44 73.7,-38.88 75.475,-38.88 v1(75.875,-39.28)